# KiCad board ulx4m.kicad_pcb (continued)
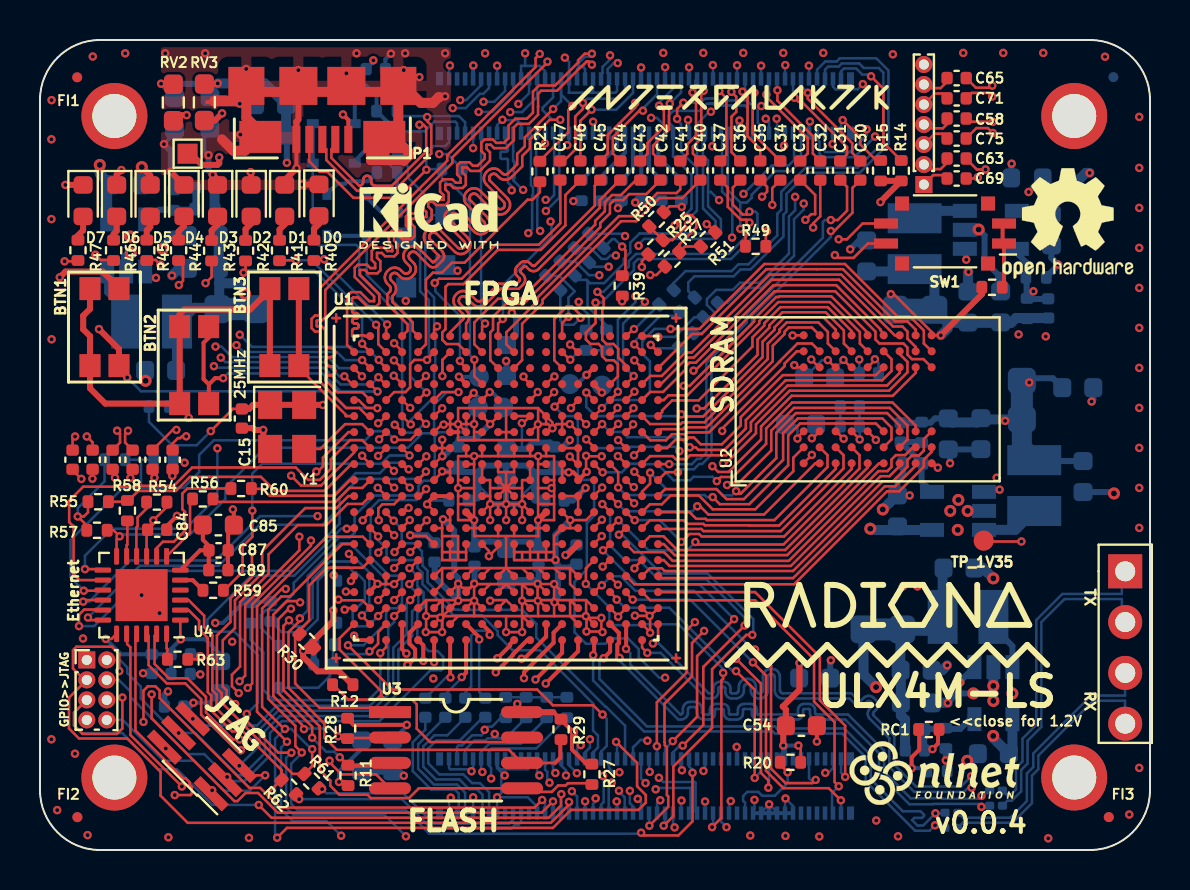
[diagram p0: board, top side]
## Library data of the parts (continued)

## Footprints (pads in the part's own frame, mm; a bottom-side part is the same pattern mirrored in y, then rotated)
BGA-381_pitch0.8mm_dia0.4mm
  round 0.4 smd: A2(-6.8,7.6) A3(-6,7.6) A4(-5.2,7.6) A5(-4.4,7.6) A6(-3.6,7.6) A7(-2.8,7.6) A8(-2,7.6) A9(-1.2,7.6) A10(-0.4,7.6) A11(0.4,7.6) A12(1.2,7.6) A13(2,7.6) A14(2.8,7.6) A15(3.6,7.6) A16(4.4,7.6) A17(5.2,7.6) A18(6,7.6) A19(6.8,7.6) B1(-7.6,6.8) B2(-6.8,6.8) B3(-6,6.8) B4(-5.2,6.8) B5(-4.4,6.8) B6(-3.6,6.8) B7(-2.8,6.8) B8(-2,6.8) B9(-1.2,6.8) B10(-0.4,6.8) B11(0.4,6.8) B12(1.2,6.8) B13(2,6.8) B14(2.8,6.8) B15(3.6,6.8) B16(4.4,6.8) B17(5.2,6.8) B18(6,6.8) B19(6.8,6.8) B20(7.6,6.8) C1(-7.6,6) C2(-6.8,6) C3(-6,6) C4(-5.2,6) C5(-4.4,6) C6(-3.6,6) C7(-2.8,6) C8(-2,6) C9(-1.2,6) C10(-0.4,6) C11(0.4,6) C12(1.2,6) C13(2,6) C14(2.8,6) C15(3.6,6) C16(4.4,6) C17(5.2,6) C18(6,6) C19(6.8,6) C20(7.6,6) D1(-7.6,5.2) D2(-6.8,5.2) D3(-6,5.2) D4(-5.2,5.2) D5(-4.4,5.2) D6(-3.6,5.2) D7(-2.8,5.2) D8(-2,5.2) D9(-1.2,5.2) D10(-0.4,5.2) D11(0.4,5.2) D12(1.2,5.2) D13(2,5.2) D14(2.8,5.2) D15(3.6,5.2) D16(4.4,5.2) D17(5.2,5.2) D18(6,5.2) D19(6.8,5.2) D20(7.6,5.2) E1(-7.6,4.4) E2(-6.8,4.4) E3(-6,4.4) E4(-5.2,4.4) E5(-4.4,4.4) E6(-3.6,4.4) E7(-2.8,4.4) E8(-2,4.4) E9(-1.2,4.4) E10(-0.4,4.4) E11(0.4,4.4) E12(1.2,4.4) E13(2,4.4) E14(2.8,4.4) E15(3.6,4.4) E16(4.4,4.4) E17(5.2,4.4) E18(6,4.4) E19(6.8,4.4) E20(7.6,4.4) F1(-7.6,3.6) F2(-6.8,3.6) F3(-6,3.6) F4(-5.2,3.6) F5(-4.4,3.6) F6(-3.6,3.6) F7(-2.8,3.6) F8(-2,3.6) F9(-1.2,3.6) F10(-0.4,3.6) F11(0.4,3.6) F12(1.2,3.6) F13(2,3.6) F14(2.8,3.6) F15(3.6,3.6) F16(4.4,3.6) F17(5.2,3.6) F18(6,3.6) F19(6.8,3.6) F20(7.6,3.6) G1(-7.6,2.8) G2(-6.8,2.8) G3(-6,2.8) G4(-5.2,2.8) G5(-4.4,2.8) G6(-3.6,2.8) G7(-2.8,2.8) G8(-2,2.8) G9(-1.2,2.8) G10(-0.4,2.8) G11(0.4,2.8) G12(1.2,2.8) G13(2,2.8) G14(2.8,2.8) G15(3.6,2.8) G16(4.4,2.8) G17(5.2,2.8) G18(6,2.8) G19(6.8,2.8) G20(7.6,2.8) H1(-7.6,2) H2(-6.8,2) H3(-6,2) H4(-5.2,2) H5(-4.4,2) H6(-3.6,2) H7(-2.8,2) H8(-2,2) H9(-1.2,2) H10(-0.4,2) H11(0.4,2) H12(1.2,2) H13(2,2) H14(2.8,2) H15(3.6,2) H16(4.4,2) H17(5.2,2) H18(6,2) H19(6.8,2) H20(7.6,2) J1(-7.6,1.2) J2(-6.8,1.2) J3(-6,1.2) J4(-5.2,1.2) J5(-4.4,1.2) J6(-3.6,1.2) J7(-2.8,1.2) J8(-2,1.2) J9(-1.2,1.2) J10(-0.4,1.2) J11(0.4,1.2) J12(1.2,1.2) J13(2,1.2) J14(2.8,1.2) J15(3.6,1.2) J16(4.4,1.2) J17(5.2,1.2) J18(6,1.2) J19(6.8,1.2) J20(7.6,1.2) K1(-7.6,0.4) K2(-6.8,0.4) K3(-6,0.4) K4(-5.2,0.4) K5(-4.4,0.4) K6(-3.6,0.4) K7(-2.8,0.4) K8(-2,0.4) K9(-1.2,0.4) K10(-0.4,0.4) K11(0.4,0.4) K12(1.2,0.4) K13(2,0.4) K14(2.8,0.4) K15(3.6,0.4) K16(4.4,0.4) K17(5.2,0.4) K18(6,0.4) K19(6.8,0.4) K20(7.6,0.4) L1(-7.6,-0.4) L2(-6.8,-0.4) L3(-6,-0.4) L4(-5.2,-0.4) L5(-4.4,-0.4) L6(-3.6,-0.4) L7(-2.8,-0.4) L8(-2,-0.4) L9(-1.2,-0.4) L10(-0.4,-0.4) L11(0.4,-0.4) L12(1.2,-0.4) L13(2,-0.4) L14(2.8,-0.4) L15(3.6,-0.4) L16(4.4,-0.4) L17(5.2,-0.4) L18(6,-0.4) L19(6.8,-0.4) L20(7.6,-0.4) M1(-7.6,-1.2) M2(-6.8,-1.2) M3(-6,-1.2) M4(-5.2,-1.2) M5(-4.4,-1.2) M6(-3.6,-1.2) M7(-2.8,-1.2) M8(-2,-1.2) M9(-1.2,-1.2) M10(-0.4,-1.2) M11(0.4,-1.2) M12(1.2,-1.2) M13(2,-1.2) M14(2.8,-1.2) M15(3.6,-1.2) M16(4.4,-1.2) M17(5.2,-1.2) M18(6,-1.2) M19(6.8,-1.2) M20(7.6,-1.2) N1(-7.6,-2) N2(-6.8,-2) N3(-6,-2) N4(-5.2,-2) N5(-4.4,-2) N6(-3.6,-2) N7(-2.8,-2) N8(-2,-2) N9(-1.2,-2) N10(-0.4,-2) N11(0.4,-2) N12(1.2,-2) N13(2,-2) N14(2.8,-2) N15(3.6,-2) N16(4.4,-2) N17(5.2,-2) N18(6,-2) N19(6.8,-2) N20(7.6,-2) P1(-7.6,-2.8) P2(-6.8,-2.8) P3(-6,-2.8) P4(-5.2,-2.8) P5(-4.4,-2.8) P6(-3.6,-2.8) P7(-2.8,-2.8) P8(-2,-2.8) P9(-1.2,-2.8) P10(-0.4,-2.8) P11(0.4,-2.8) P12(1.2,-2.8) P13(2,-2.8) P14(2.8,-2.8) P15(3.6,-2.8) P16(4.4,-2.8) P17(5.2,-2.8) P18(6,-2.8) P19(6.8,-2.8) P20(7.6,-2.8) R1(-7.6,-3.6) R2(-6.8,-3.6) R3(-6,-3.6) R4(-5.2,-3.6) R5(-4.4,-3.6) R16(4.4,-3.6) R17(5.2,-3.6) R18(6,-3.6) R19(6.8,-3.6) R20(7.6,-3.6) T1(-7.6,-4.4) T2(-6.8,-4.4) T3(-6,-4.4) T4(-5.2,-4.4) T5(-4.4,-4.4) T6(-3.6,-4.4) T7(-2.8,-4.4) T8(-2,-4.4) T9(-1.2,-4.4) T10(-0.4,-4.4) T11(0.4,-4.4) T12(1.2,-4.4) T13(2,-4.4) T14(2.8,-4.4) T15(3.6,-4.4) T16(4.4,-4.4) T17(5.2,-4.4) T18(6,-4.4) T19(6.8,-4.4) T20(7.6,-4.4) U1(-7.6,-5.2) U2(-6.8,-5.2) U3(-6,-5.2) U4(-5.2,-5.2) U5(-4.4,-5.2) U6(-3.6,-5.2) U7(-2.8,-5.2) U8(-2,-5.2) U9(-1.2,-5.2) U10(-0.4,-5.2) U11(0.4,-5.2) U12(1.2,-5.2) U13(2,-5.2) U14(2.8,-5.2) U15(3.6,-5.2) U16(4.4,-5.2) U17(5.2,-5.2) U18(6,-5.2) U19(6.8,-5.2) U20(7.6,-5.2) V1(-7.6,-6) V2(-6.8,-6) V3(-6,-6) V4(-5.2,-6) V5(-4.4,-6) V6(-3.6,-6) V7(-2.8,-6) V8(-2,-6) V9(-1.2,-6) V10(-0.4,-6) V11(0.4,-6) V12(1.2,-6) V13(2,-6) V14(2.8,-6) V15(3.6,-6) V16(4.4,-6) V17(5.2,-6) V18(6,-6) V19(6.8,-6) V20(7.6,-6) W1(-7.6,-6.8) W2(-6.8,-6.8) W3(-6,-6.8) W4(-5.2,-6.8) W5(-4.4,-6.8) W6(-3.6,-6.8) W7(-2.8,-6.8) W8(-2,-6.8) W9(-1.2,-6.8) W10(-0.4,-6.8) W11(0.4,-6.8) W12(1.2,-6.8) W13(2,-6.8) W14(2.8,-6.8) W15(3.6,-6.8) W16(4.4,-6.8) W17(5.2,-6.8) W18(6,-6.8) W19(6.8,-6.8) W20(7.6,-6.8) Y2(-6.8,-7.6) Y3(-6,-7.6) Y5(-4.4,-7.6) Y6(-3.6,-7.6) Y7(-2.8,-7.6) Y8(-2,-7.6) Y11(0.4,-7.6) Y12(1.2,-7.6) Y14(2.8,-7.6) Y15(3.6,-7.6) Y16(4.4,-7.6) Y17(5.2,-7.6) Y19(6.8,-7.6)
  oval 0.127x0.508 smd: X(-8.5,8.5) X(-8.5,-8.5) X(8.5,8.5) X(8.5,-8.5)
  oval 0.508x0.127 smd: X(-8.5,8.5) X(-8.5,-8.5) X(8.5,8.5) X(8.5,-8.5)
C_0201_0603Metric
  rrect 0.318x0.36 smd: (-0.345,0) (0.345,0)
  rrect 0.46x0.4 smd: 1(-0.32,0) 2(0.32,0)
C_0402_1005Metric
  rrect 0.56x0.62 smd: 1(-0.48,0) 2(0.48,0)
C_0603_1608Metric
  rrect 0.9x0.95 smd: 1(-0.775,0) 2(0.775,0)
Crystal_SMD_TXC_7M-4Pin_3.2x2.5mm
  rect 1.4x1.2 smd: 1(-1.1,-0.85) 2(1.1,-0.85) 3(1.1,0.85) 4(-1.1,0.85)
D_SOD-323
  rect 0.6x0.45 smd: 1(-1.05,0) 2(1.05,0)
D_SOD-323#2
  rrect 0.6x0.45 smd: 1(-1.05,0) 2(1.05,0)
D_SOD-323_HandSoldering
  rect 1x1 smd: 1(-1.25,0) 2(1.25,0)
Fiducial_0.5mm_Mask1mm
  round 0.5 smd: (0,0)
HRS_DF40C-100DP-0.4V(51)
  rect 0.23x0.66 smd: 1(-9.8,1.355) 2(-9.8,-1.355) 3(-9.4,1.355) 4(-9.4,-1.355) 5(-9,1.355) 6(-9,-1.355) 7(-8.6,1.355) 8(-8.6,-1.355) 9(-8.2,1.355) 10(-8.2,-1.355) 11(-7.8,1.355) 12(-7.8,-1.355) 13(-7.4,1.355) 14(-7.4,-1.355) 15(-7,1.355) 16(-7,-1.355) 17(-6.6,1.355) 18(-6.6,-1.355) 19(-6.2,1.355) 20(-6.2,-1.355) 21(-5.8,1.355) 22(-5.8,-1.355) 23(-5.4,1.355) 24(-5.4,-1.355) 25(-5,1.355) 26(-5,-1.355) 27(-4.6,1.355) 28(-4.6,-1.355) 29(-4.2,1.355) 30(-4.2,-1.355) 31(-3.8,1.355) 32(-3.8,-1.355) 33(-3.4,1.355) 34(-3.4,-1.355) 35(-3,1.355) 36(-3,-1.355) 37(-2.6,1.355) 38(-2.6,-1.355) 39(-2.2,1.355) 40(-2.2,-1.355) 41(-1.8,1.355) 42(-1.8,-1.355) 43(-1.4,1.355) 44(-1.4,-1.355) 45(-1,1.355) 46(-1,-1.355) 47(-0.6,1.355) 48(-0.6,-1.355) 49(-0.2,1.355) 50(-0.2,-1.355) 51(0.2,1.355) 52(0.2,-1.355) 53(0.6,1.355) 54(0.6,-1.355) 55(1,1.355) 56(1,-1.355) 57(1.4,1.355) 58(1.4,-1.355) 59(1.8,1.355) 60(1.8,-1.355) 61(2.2,1.355) 62(2.2,-1.355) 63(2.6,1.355) 64(2.6,-1.355) 65(3,1.355) 66(3,-1.355) 67(3.4,1.355) 68(3.4,-1.355) 69(3.8,1.355) 70(3.8,-1.355) 71(4.2,1.355) 72(4.2,-1.355) 73(4.6,1.355) 74(4.6,-1.355) 75(5,1.355) 76(5,-1.355) 77(5.4,1.355) 78(5.4,-1.355) 79(5.8,1.355) 80(5.8,-1.355) 81(6.2,1.355) 82(6.2,-1.355) 83(6.6,1.355) 84(6.6,-1.355) 85(7,1.355) 86(7,-1.355) 87(7.4,1.355) 88(7.4,-1.355) 89(7.8,1.355) 90(7.8,-1.355) 91(8.2,1.355) 92(8.2,-1.355) 93(8.6,1.355) 94(8.6,-1.355) 95(9,1.355) 96(9,-1.355) 97(9.4,1.355) 98(9.4,-1.355) 99(9.8,1.355) 100(9.8,-1.355)
  rect 0.35x0.66 smd: S1(-10.275,1.355) S2(-10.275,-1.355) S3(10.275,1.355) S4(10.275,-1.355)
IS42S16320D-6BLI
  round 0.4 smd: A1(-3.2,3.2) A2(-2.4,3.2) A3(-1.6,3.2) A7(1.6,3.2) A8(2.4,3.2) A9(3.2,3.2) B1(-3.2,2.4) B2(-2.4,2.4) B3(-1.6,2.4) B7(1.6,2.4) B8(2.4,2.4) B9(3.2,2.4) C1(-3.2,1.6) C2(-2.4,1.6) C3(-1.6,1.6) C7(1.6,1.6) C8(2.4,1.6) C9(3.2,1.6) D1(-3.2,0.8) D2(-2.4,0.8) D3(-1.6,0.8) D7(1.6,0.8) D8(2.4,0.8) D9(3.2,0.8) E1(-3.2,0) E2(-2.4,0) E3(-1.6,0) E7(1.6,0) E8(2.4,0) E9(3.2,0) F1(-3.2,-0.8) F2(-2.4,-0.8) F3(-1.6,-0.8) F7(1.6,-0.8) F8(2.4,-0.8) F9(3.2,-0.8) G1(-3.2,-1.6) G2(-2.4,-1.6) G3(-1.6,-1.6) G7(1.6,-1.6) G8(2.4,-1.6) G9(3.2,-1.6) H1(-3.2,-2.4) H2(-2.4,-2.4) H3(-1.6,-2.4) H7(1.6,-2.4) H8(2.4,-2.4) H9(3.2,-2.4) J1(-3.2,-3.2) J2(-2.4,-3.2) J3(-1.6,-3.2) J7(1.6,-3.2) J8(2.4,-3.2) J9(3.2,-3.2)
L_0603_1608Metric
  rrect 0.875x0.95 smd: 1(-0.787,0) 2(0.787,0)
L_1008_1210
  rect 1.5x2.7 smd: 1(-1.27,0) 2(1.27,0)
LED_0603_1608Metric
  rrect 0.875x0.95 smd: 1(-0.787,0) 2(0.787,0)
MountingHole_3.2mm_M3_ISO14580_Pad
  round 3.3 hole 2.2: 1(0,0)
PinHeader_1x04_P2.54mm_Vertical
  rect 1.7x1.7 hole 1: 1(0,0)
  oval 1.7x1.7 hole 1: 2(0,-2.54) 3(0,-5.08) 4(0,-7.62)
PinHeader_1x07_P1.00mm_Vertical
  rect 0.85x0.85 hole 0.5: 1(0,0)
  oval 0.85x0.85 hole 0.5: 2(0,-1) 3(0,-2) 4(0,-3) 5(0,-4) 6(0,-5) 7(0,-6)
PinHeader_2x03_P1.00mm_Vertical_SMD
  rect 2x0.5 smd: 1(-1.65,1) 2(1.65,1) 3(-1.65,0) 4(1.65,0) 5(-1.65,-1) 6(1.65,-1)
PinHeader_2x04_P1.00mm_Vertical
  rect 0.85x0.85 hole 0.5: 1(0,0)
  oval 0.85x0.85 hole 0.5: 2(1,0) 3(0,-1) 4(1,-1) 5(0,-2) 6(1,-2) 7(0,-3) 8(1,-3)
QFN-24-1EP_4x4mm_P0.5mm_EP2.6x2.6mm
  rrect 1.05x1.05 smd: (-0.65,0.65) (-0.65,-0.65) (0.65,0.65) (0.65,-0.65)
  rrect 0.825x0.25 smd: 1(-1.938,1.25) 2(-1.938,0.75) 3(-1.938,0.25) 4(-1.938,-0.25) 5(-1.938,-0.75) 6(-1.938,-1.25) 13(1.938,-1.25) 14(1.938,-0.75) 15(1.938,-0.25) 16(1.938,0.25) 17(1.938,0.75) 18(1.938,1.25)
  rrect 0.25x0.825 smd: 7(-1.25,-1.938) 8(-0.75,-1.938) 9(-0.25,-1.938) 10(0.25,-1.938) 11(0.75,-1.938) 12(1.25,-1.938) 19(1.25,1.938) 20(0.75,1.938) 21(0.25,1.938) 22(-0.25,1.938) 23(-0.75,1.938) 24(-1.25,1.938)
  rect 2.6x2.6 smd: 25(0,0)
R_0402_1005Metric
  rrect 0.54x0.64 smd: 1(-0.51,0) 2(0.51,0)
R_0603_1608Metric_Pad0.98x0.95mm_HandSolder
  rrect 0.975x0.95 smd: 1(-0.912,0) 2(0.912,0)
R_0805_2012Metric_Pad1.29x1.40mm_HandSolder_Jumper_NC
  rrect 1.295x1.4 smd: 1(-0.968,0) 2(0.968,0)
SOA008-150-208mil
  rect 2.1x0.6 smd: 1(-3.302,1.905)
  oval 2.1x0.6 smd: 2(-3.302,0.635) 3(-3.302,-0.635) 4(-3.302,-1.905) 5(3.302,-1.905) 6(3.302,-0.635) 7(3.302,0.635) 8(3.302,1.905)
SW_DIP_SPSTx02_Slide_Copal_CVS-02xB_W5.9mm_P1mm
  rect 1.2x0.5 smd: 1(-2.95,0.5) 2(-2.95,-0.5) 3(2.95,-0.5) 4(2.95,0.5)
  rect 0.7x0.7 smd: 5(-2.15,1.5) 5(-2.15,-1.5) 5(2.15,1.5) 5(2.15,-1.5)
Switch_EVPAA
  rect 1.15x1.05 smd: 1(-1.925,0.725) 1(1.925,0.725) 2(-1.925,-0.725) 2(1.925,-0.725)
TestPoint_Pad_1.0x1.0mm
  rect 1x1 smd: 1(0,0)
Testpoint_smd_1mm
  round 1 smd: 1(0,0.051)
TSOT-25
  rect 0.7x1.2 smd: 1(-0.95,-1.3) 2(0,-1.3) 3(0.95,-1.3) 4(0.95,1.3) 5(-0.95,1.3)
USB-MICRO-B-FCI-10118192-0001LF
  rect 0.4x1.35 smd: 1(-1.3,2.675) 2(-0.65,2.675) 3(0,2.675) 4(0.65,2.675) 5(1.3,2.675)
  rect 1.8x1.9 smd: 6(-3.8,0) 6(3.8,0)
  rect 2.1x1.6 smd: 6(-3.1,2.55) 6(3.1,2.55)
  rect 1.9x1.9 smd: 6(-1.2,0) 6(1.2,0)

## Nets
2V5_3V3: C26.1 C38.1 C48.1 C49.1 C53.1 RV2.2 RV3.1 U1.F9 U1.F10 U1.H6 U1.H7 U1.J6
+1V1: 1.1V_1.1 C17.1 C27.1 C28.1 RP1.2 U1.H8 U1.H9 U1.H10 U1.H11 U1.H12 U1.H13 U1.J8 U1.J13 U1.K8 U1.K13 U1.L8 U1.L13 U1.M8 U1.M13 U1.N8 U1.N9 U1.N10 U1.N11 U1.N12 U1.N13 U1.T6 U1.T7 U1.T8 U1.T9 U1.T10 U1.T11 U1.T12 U1.T13 U1.T14 U1.T15 U1.U6 U1.U15
+1V35: C77.1 C95.1 C96.1 C97.1 C98.1 L4.2 RA4.1 RP4.1 RP4.2 TP_1V35.1
+2V5: C10.1 C11.1 C12.1 C19.1 C23.1 C29.1 C39.1 L2.2 RA2.1 RP2.1 RP2.2 RV2.1 U1.F6 U1.F15 U1.P6 U1.P15 U1.V10 U1.V11 U1.V17 U1.V18
+3.3VA: C86.1 C88.1 C90.1 FB1.2 U4.1 U4.19
+5V: C1.1 C5.1 C9.1 C76.1 J1.77 J1.79 J1.81 J1.83 J1.85 J1.87 P1.1 R10.1 R13.1 R14.1 R15.1 U5.1 U5.4 U6.1 U6.4 U7.1 U7.4 U8.1 U8.4
/ethernet/VDDCR: C85.1 C87.1 C89.1 U4.6
/power/P1V1: C2.1 C3.1 C4.1 C22.1 L1.2 RA1.1 RP1.1
GND: C1.2 C3.2 C4.2 C5.2 C7.2 C8.2 C9.2 C11.2 C12.2 C13.2 C14.2 C15.2 C16.2 C17.2 C18.2 C19.2 C20.2 C21.2 C22.2 C23.2 C24.2 C25.2 C26.2 C27.2 C28.2 C29.2 C38.2 C39.2 C48.2 C49.2 C50.2 C51.2 C52.2 C53.2 C54.2 C76.2 C78.2 C79.2 C80.2 C81.2 C82.2 C83.1 C84.2 C85.2 C86.2 C87.2 C88.2 C89.2 C90.2 C95.2 C96.2 C97.2 C98.2 D0.1 D1.1 D2.1 D3.1 D4.1 D5.1 D6.1 D7.1 D8.2 D9.2 H1.1 H2.1 H3.1 H4.1 J1.1 J1.2 J1.7 J1.8 J1.13 J1.14 J1.22 J1.23 J1.32 J1.33 J1.42 J1.43 J1.52 J1.53 J1.59 J1.60 J1.65 J1.66 J1.71 J1.74 J1.98 J2.7 J2.8 J2.13 J2.14 J2.19 J2.20 J2.25 J2.26 J2.31 J2.32 J2.37 J2.38 J2.44 J2.50 J2.55 J2.56 J2.61 J2.62 J2.67 J2.68 J2.73 J2.74 J2.79 J2.80 J2.85 J2.86 J2.91 J2.92 J2.97 J2.98 J3.1 J5.7 P1.5 P1.6 R9.1 R17.1 R39.2 R48.2 R49.2 R50.2 R51.2 R52.2 R63.2 RB1.1 RB2.1 RB3.1 RB4.1 RC2.1 U1.B7 U1.B14 U1.C19 U1.D4 U1.F7 U1.F8 U1.F13 U1.F14 U1.G4 U1.G6 U1.G7 U1.G8 U1.G9 U1.G10 U1.G11 U1.G12 U1.G13 U1.G14 U1.G15 U1.G17 U1.H19 U1.J2 U1.J7 U1.J9 U1.J10 U1.J11 U1.J12 U1.J14 U1.K6 U1.K7 U1.K9 U1.K10 U1.K11 U1.K12 U1.K14 U1.K15 U1.L9 U1.L10 U1.L11 U1.L12 U1.M2 U1.M7 U1.M9 U1.M10 U1.M11 U1.M12 U1.M14 U1.M16 U1.N6 U1.N7 U1.N14 U1.N15 U1.P7 U1.P8 U1.P11 U1.P12 U1.P13 U1.P14 U1.R4 U1.R19 U1.U4 U1.U7 U1.U8 U1.U9 U1.U10 U1.U11 U1.U12 U1.U13 U1.U14 U1.V5 U1.V6 U1.V7 U1.V8 U1.V9 U1.V12 U1.V13 U1.V14 U1.V15 U1.V16 U1.V19 U1.V20 U1.W6 U1.W7 U1.W12 U1.W15 U1.W16 U1.W19 U2.A1 U2.A3 U2.B7 U2.C3 U2.D7 U2.E3 U2.J1 U3.4 U4.25 U5.2 U6.2 U7.2 U8.2 Y1.2
/blinkey/ALED0: D0.2 R40.2
/blinkey/ALED1: D1.2 R41.2
/blinkey/ALED2: D2.2 R42.2
/blinkey/ALED3: D3.2 R43.2
/blinkey/ALED4: D4.2 R44.2
/blinkey/ALED5: D5.2 R45.2
/blinkey/ALED6: D6.2 R46.2
/blinkey/ALED7: D7.2 R47.2
/ethernet/ETH_7: R56.1 U4.7
/ethernet/ETH_8: R60.1 U4.8
/ethernet/ETH_10: R54.1 U4.10
/ethernet/ETH_11: R58.2 U4.11
/ethernet/RBIAS: R63.1 U4.24
/ethernet/XTAL: R59.1 U4.5
/flash/FLASH_MISO: R28.2 U1.V2 U3.2
/flash/FLASH_MOSI: R27.2 U1.W2 U3.5
/flash/FLASH_nCS: R30.2 U1.R2 U3.1
/flash/FLASH_nHOLD: R12.2 U1.W1 U3.7
/flash/FLASH_nWP: R11.2 U1.Y2 U3.3
/flash/FLASH_SCK: R29.2 U1.U3 U3.6
/flash/FPGA_DONE: R32.2 U1.Y3
/flash/FPGA_INITN: R33.2 U1.V3
/flash/FPGA_PROGRAMN: C99.1 D15.2 D28.2 R31.2 U1.W3
/gpio/CAM0_D0_LP: R21.2 U1.B5
/power/FB1: C2.2 RA1.2 RB1.2 RC1.2 U5.5
/power/FB2: C10.2 RA2.2 RB2.2 U6.5
/power/FB3: C6.2 RA3.2 RB3.2 U7.5
/power/FB4: C77.2 RA4.2 RB4.2 U8.5
/power/L1: L1.1 U5.3
/power/L2: L2.1 U6.3
/power/L3: L3.1 U7.3
/power/L4: L4.1 U8.3
/serdes/1N: C91.1 J4.1
/serdes/1P: C92.1 J4.2
/serdes/2N: C93.1 J4.3
/serdes/2P: C94.1 J4.4
/serdes/CLK_0_N: C66.1 U1.Y12
/serdes/CLK_0_P: C59.2 U1.Y11
/serdes/CLK_1_N: C69.1 U1.W20
/serdes/CLK_1_P: C63.2 U1.Y19
/serdes/S_0_N: C67.1 U1.Y6
/serdes/S_0_P: C61.2 U1.Y5
/serdes/S_1_N: C68.1 U1.Y8
/serdes/S_1_P: C62.2 U1.Y7
/serdes/S_2_N: C72.1 U1.W5
/serdes/S_2_P: C55.2 U1.W4
/serdes/S_3_N: C73.1 U1.W9
/serdes/S_3_P: C56.2 U1.W8
/serdes/S_4_N: U1.Y15
/serdes/S_4_P: U1.Y14
/serdes/S_5_N: C71.1 C93.2 U1.Y17
/serdes/S_5_P: C65.2 C94.2 U1.Y16
/serdes/S_6_N: U1.W14
/serdes/S_6_P: U1.W13
/serdes/S_7_N: C75.1 C91.2 U1.W18
/serdes/S_7_P: C58.2 C92.2 U1.W17
/usb/D10_R4: D10.1 R4.1
/usb/D11_R5: D11.2 R5.1
/usb/D12_R6: D12.1 R6.1
/usb/D13_R7: D13.2 R7.1
AnalogIP0: J1.96
AnalogIP1: J1.94
BT_nDisable: J1.91
BTN1: BTN1.2 U1.E1
BTN2: BTN2.2 U1.D2
BTN3: BTN3.2 U1.F1
CAM0_C_N: J2.40 U1.E2
CAM0_C_P: J2.42 U1.F2
CAM0_D0_N: J2.28 U1.A5
CAM0_D0_P: J2.30 R21.1 U1.A4
CAM0_D1_N: J2.34 U1.B1
CAM0_D1_P: J2.36 U1.A2
CAM1_C_N: J2.27 U1.F3
CAM1_C_P: J2.29 U1.G3
CAM1_D0_N: J2.15 U1.B4
CAM1_D0_P: J2.17 U1.C4
CAM1_D1_N: J2.21 U1.D5
CAM1_D1_P: J2.23 U1.E4
CAM1_D2_N: J2.33
CAM1_D2_P: J2.35
CAM1_D3_N: J2.39
CAM1_D3_P: J2.41
Camera_GPIO: J1.97 U1.U19
CLK_25MHz: U1.G2 Y1.3
CM4_1.8V: J1.88 J1.90
CM4_3.3V: C6.1 C7.1 C8.1 C13.1 C14.1 C15.1 C16.1 C18.1 C20.1 C21.1 C24.1 C25.1 C50.1 C51.1 C52.1 C54.1 C78.1 C79.1 C80.1 C81.1 C82.1 C84.1 C99.2 FB1.1 J1.84 J1.86 J3.2 L3.2 R8.1 R11.1 R12.1 R16.1 R18.2 R19.2 R20.2 R27.1 R28.1 R29.1 R30.1 R31.1 R32.1 R33.1 R53.1 R54.2 R55.1 R57.1 R64.2 R65.2 R66.2 R67.2 R70.1 RA3.1 RP3.1 RP3.2 RV3.2 U1.F11 U1.F12 U1.H14 U1.H15 U1.J15 U1.L6 U1.L7 U1.L14 U1.L15 U1.M6 U1.M15 U1.P9 U1.P10 U1.T2 U1.T3 U1.T4 U1.U2 U2.A7 U2.A9 U2.B3 U2.C7 U2.D3 U2.E7 U2.J9 U3.8 U4.9 Y1.1 Y1.4
DSI0_C_N: J2.69 J2.87 R38.2 R39.1
DSI0_C_P: J2.71 J2.89 R26.1 R49.1
DSI0_D0_N: J2.57 J2.75 R37.2 R51.1
DSI0_D0_P: J2.59 J2.77 R25.1 R50.1
DSI0_D1_N: J2.63 J2.81 R36.2 R48.1
DSI0_D1_P: J2.65 J2.83 R24.1 R52.1
DSI1_D2_N: J2.93 R34.2
DSI1_D2_P: J2.95 R22.1
DSI1_D3_N: J2.94 R35.2
DSI1_D3_P: J2.96 R23.1
EEPROM_nWP: J1.20
ETH_0N: J1.10 R65.1 U4.20
ETH_0P: J1.12 R64.1 U4.21
ETH_1N: J1.6 R67.1 U4.22
ETH_1P: J1.4 R66.1 U4.23
ETH_2N: C73.2 J1.9
ETH_2P: C56.1 J1.11
ETH_3N: C68.2 J1.5
ETH_3P: C62.1 J1.3
ETH_MDC: U1.J5 U4.13
ETH_MDIO: R57.2 U1.E6 U4.12
ETH_nLED1: J1.19 R62.1
ETH_nLED2: J1.17 R61.1
ETH_nLED3: J1.15
ETH_SYNC_IN: J1.16
ETH_SYNC_OUT: J1.18
ETH_~{RESET}: C83.2 R53.2 U1.G5 U4.15
FPDI_CLK+: C31.1 U1.J20
FPDI_CLK-: C30.1 U1.K20
FPDI_D0+: C33.1 U1.F17
FPDI_D0-: C32.1 U1.G18
FPDI_D1+: C35.1 U1.D18
FPDI_D1-: C34.1 U1.E17
FPDI_D2+: C37.1 U1.C18
FPDI_D2-: C36.1 U1.D17
GLOBAL_EN: J1.99 U1.U18
GN0: C40.1 U1.C11
GN3: C42.1 U1.C10
GN4: C44.1 U1.A8
GN5: C46.1 U1.B8
GP0: C41.1 U1.B11
GP3: C43.1 U1.B9
GP4: C45.1 U1.A7
GP5: C47.1 U1.C8
GPIO2: J1.58 U1.M17
GPIO3: J1.56 U1.P17
GPIO4: J1.54 U1.P16
GPIO5: J1.34 U1.N1
GPIO6: J1.30 U1.R1
GPIO7: J1.37 U1.P3
GPIO8: J1.39 U1.P4
GPIO9: J1.40 U1.L5
GPIO10: J1.44 R61.2 U1.K4 U4.3
GPIO11: J1.38 U1.N2
GPIO12: J1.31 J6.3 U1.L2
GPIO13: J1.28 U1.T1
GPIO14: J1.55 U1.N18
GPIO15: J1.51 U1.N16
GPIO16: J1.29 J6.5 U1.L1
GPIO17: J1.50 U1.H3
GPIO18: J1.49 U1.N5
GPIO19: J1.26 U1.U1
GPIO20: J1.27 J6.1 U1.L3
GPIO21: J1.25 J6.7 R62.2 U1.L4 U4.2
GPIO22: J1.46 U1.M3
GPIO23: J1.47 U1.N4
GPIO24: J1.45 U1.N3
GPIO25: J1.41 U1.P5
GPIO26: J1.24 U1.V1
GPIO27: J1.48 U1.R17
GPIO_VREF: J1.78
HDMI0_CEC: J2.51 R8.2
HDMI0_CLK_N: C30.2 J2.90
HDMI0_CLK_P: C31.2 J2.88
HDMI0_HOTPLUG: J2.53 R9.2
HDMI0_SCL: J2.100 R14.2
HDMI0_SDA: J2.99 R15.2
HDMI0_TX0_N: C32.2 J2.84
HDMI0_TX0_P: C33.2 J2.82
HDMI0_TX1_N: C34.2 J2.78
HDMI0_TX1_P: C35.2 J2.76
HDMI0_TX2_N: C36.2 J2.72
HDMI0_TX2_P: C37.2 J2.70
HDMI1_CEC: J2.49 R16.2
HDMI1_CLK_N: C40.2 J2.66
HDMI1_CLK_P: C41.2 J2.64
HDMI1_HOTPLUG: J2.43 R17.2
HDMI1_SCL: J2.47 R10.2
HDMI1_SDA: J2.45 R13.2
HDMI1_TX0_N: C42.2 J2.60
HDMI1_TX0_P: C43.2 J2.58
HDMI1_TX1_N: C44.2 J2.54
HDMI1_TX1_P: C45.2 J2.52
HDMI1_TX2_N: C46.2 J2.48
HDMI1_TX2_P: C47.2 J2.46
ID_SC: J1.35 U1.J3
ID_SD: J1.36 U1.H1
JTAG_TCK: J3.4 J6.2 U1.T5
JTAG_TDI: J3.3 J6.4 U1.R5
JTAG_TDO: J3.6 J6.6 U1.V4
JTAG_TMS: J3.5 J6.8 U1.U5
LED0: R40.1 U1.A3
LED1: R41.1 U1.B3
LED2: R42.1 U1.B2
LED3: R43.1 U1.C3
LED4: R44.1 U1.C2
LED5: R45.1 U1.C1
LED6: R46.1 U1.D1
LED7: R47.1 U1.D3
nEXTRST: J1.100 U1.U20
nRPIBOOT: J1.93
PCIe_CLK_N: C66.2 J2.12
PCIe_CLK_nREQ: J2.2 U1.A10
PCIe_CLK_P: C59.1 J2.10
PCIe_nRST: J2.9 U1.A9
PCIe_RX_N: C67.2 J2.18
PCIe_RX_P: C61.1 J2.16
PCIe_TX_N: C72.2 J2.24
PCIe_TX_P: C55.1 J2.22
PI_LED_nPWR: J1.95
Pi_nLED_Activity: J1.21
PWRBTn: D28.1 TP_E8.1 U1.E8
RGMII_REF_CLK: U1.H2 U4.14
RGMII_RX_DV: R55.2 R58.1 U1.J1
RGMII_RXD0: R60.2 U1.K1
RGMII_RXD1: R56.2 U1.K2
RGMII_TX_CLK: R59.2 U1.H4
RGMII_TX_EN: U1.K3 U4.16
RGMII_TXD0: U1.K5 U4.17
RGMII_TXD1: U1.J4 U4.18
RUN_PG: J1.92 U1.U16
SCL0: J1.80 U1.U17
SD_CLK: J1.57 U1.G1
SD_CMD: J1.62 U1.P1
SD_D0: J1.63 U1.B15
SD_D1: J1.67 U1.R16
SD_D2: J1.69 U1.E14
SD_D3: J1.61 U1.P2
SD_DAT4: J1.68
SD_DAT5: J1.64
SD_DAT6: J1.72
SD_DAT7: J1.70
SD_PWR_ON: J1.75 R20.1 U1.E15
SD_VDD_Override: J1.73
SDA0: J1.82 U1.T17
SDRAM_A0: U1.H16 U2.H7
SDRAM_A1: U1.D19 U2.H8
SDRAM_A2: U1.F16 U2.J8
SDRAM_A3: U1.E18 U2.J7
SDRAM_A4: U1.T19 U2.J3
SDRAM_A5: U1.T18 U2.J2
SDRAM_A6: U1.J16 U2.H3
SDRAM_A7: U1.P18 U2.H2
SDRAM_A8: U1.T20 U2.H1
SDRAM_A9: U1.L19 U2.G3
SDRAM_A10: U1.C20 U2.H9
SDRAM_A11: U1.K19 U2.G2
SDRAM_A12: U1.R20 U2.G1
SDRAM_BA0: U1.J19 U2.G7
SDRAM_BA1: U1.L16 U2.G8
SDRAM_CKE: U1.J17 U2.F3
SDRAM_CLK: U1.L20 U2.F2
SDRAM_D0: U1.J18 U2.A8
SDRAM_D1: U1.G20 U2.B9
SDRAM_D2: U1.G19 U2.B8
SDRAM_D3: U1.E16 U2.C9
SDRAM_D4: U1.F19 U2.C8
SDRAM_D5: U1.F20 U2.D9
SDRAM_D6: U1.H18 U2.D8
SDRAM_D7: U1.F18 U2.E9
SDRAM_D8: U1.P19 U2.E1
SDRAM_D9: U1.N17 U2.D2
SDRAM_D10: U1.M18 U2.D1
SDRAM_D11: U1.N20 U2.C2
SDRAM_D12: U1.N19 U2.C1
SDRAM_D13: U1.M20 U2.B2
SDRAM_D14: U1.M19 U2.A2
SDRAM_D15: U1.L17 U2.B1
SDRAM_DQM0: U1.E20 U2.E8
SDRAM_DQM1: U1.P20 U2.F1
SDRAM_nCAS: U1.H20 U2.F7
SDRAM_nCS: U1.D20 U2.G9
SDRAM_nRAS: U1.G16 U2.F8
SDRAM_nWE: U1.E19 U2.F9
SRCLK1N: C69.2 J5.1
SRCLK1P: C63.1 J5.2
SRX11N: C71.2 J5.5
SRX11P: C65.1 J5.6
STX11N: C75.2 J5.3
STX11P: C58.1 J5.4
SW1: SW1.4 U1.L18
SW2: SW1.3 U1.K18
US2_ID: J2.1 P1.4 R19.1 U1.D9
USB_FPGA_D+: D8.1 R2.2 R4.2 R5.2 U1.A6 U1.F4
USB_FPGA_D-: D9.1 R1.2 R6.2 R7.2 U1.B6 U1.E3
USB_FPGA_PULL_D+: D10.2 D11.1 U1.F5
USB_FPGA_PULL_D-: D12.2 D13.1 U1.E5
USB_N: J2.3 P1.2 R1.1
USB_P: J2.5 P1.3 R2.1
USER_PROGRAMN: D15.1 U1.M4
VDAC_COMP: J2.11
WL_nDisable: J1.89
Net-(BTN1-Pad1): BTN1.1 BTN2.1 BTN3.1 R18.1
Net-(R70-Pad2): R70.2 SW1.1 SW1.2
Net-(RC1-Pad1): RC1.1 RC2.2
Net-(U1A-PT13B): TP_D8.1 U1.D8
Net-(U1A-PT20B): TP_E9.1 U1.E9
Net-(U1B-GR_PCLK1_0): R26.2 U1.D12
Net-(U1B-GR_PCLK1_1): R38.1 U1.E12
Net-(U1B-PT80A): R25.2 U1.D13
Net-(U1B-PT80B): R37.1 U1.E13
Net-(U1B-PT83A): R24.2 U1.A14
Net-(U1B-PT83B): R36.1 U1.C14
Net-(U1B-PT112A): TP_C16.1 U1.C16
Net-(U1B-PT112B): TP_D16.1 U1.D16
Net-(U1B-PT119A): R23.2 U1.A18
Net-(U1B-PT119B): R35.1 U1.B19
Net-(U1B-PT121A): R22.2 U1.A19
Net-(U1B-PT121B): R34.1 U1.B20

Pads without a net: J1 76 S1 S2 S3 S4; J2 4 6 S1 S2 S3 S4; SW1 5; U1 A11 A12 A13 A15 A16 A17 B10 B12 B13 B16 B17 B18 C5 C6 C7 C9 C12 C13 C15 C17 D6 D7 D10 D11 D14 D15 E7 E10 E11 H5 H17 K16 K17 M1 M5 R3 R18 T16 W10 W11 X; U2 E2; U4 4

## Via types
v1: diameter 0.6, hole 0.3, Top to Bottom, 23 vias
v2: diameter 0.42, hole 0.2, Top to Bottom, 54 vias
v3: diameter 0.419, hole 0.2, Top to Bottom, 623 vias

## Routing (per net, layer and track width the routed paths; a pad name or vN(x,y) marks a point on that pad's centre or on a via; arc(x,y) is an arc through that point)
2V5_3V3: length 43.2
  Top w0.127: 20.11,20.09 U1.H7 ; 20.11,20.09 U1.H6 ; 20.11,20.09 20.11,19.69 v3(20.12,19.69) 20.1,19.69 U1.J6 ; 20.11,20.09 20.11,20.51 v3(20.11,20.52) ; U1.F10 v3(22.51,21.29) U1.F9
  Top w0.2: v3(6.06,38.31) 6.59,38.31 6.64,38.26
  Top w0.3: RV3.1 8.86,38.3 v3(8.89,38.33) ; RV2.2 6.08,38.29 v3(6.06,38.31)
  POWER.Cu w0.2: v3(20.11,20.52) 19.74,20.89 19.74,21.53 19.61,21.66 19.61,21.87
  POWER.Cu w0.3: v3(12.34,34.36) 12.56,34.57 17.24,34.57 18.08,35.41 18.86,35.41 17.52,34.07 17.52,33.34 18.78,32.08 18.78,22.7 19.61,21.87
  Bottom w0.2: C49.1 6.06,38.28 v3(6.06,38.31)
  Bottom w0.3: 20.93,20.55 21.77,20.55 v3(22.51,21.29) ; C48.1 12.34,35.71 v3(12.34,34.36) ; v3(6.06,38.31) 8.88,38.31 v3(8.89,38.33) 8.5,37.94 C53.1 ; v3(20.12,19.69) 20.19,19.69 20.93,20.42
  Bottom w0.4: 20.98,20.46 20.98,20.45
  Bottom w0.5: C48.1 12.31,37.26 C38.1 11.24,38.33 v3(8.89,38.33)
+1V1: length 133.8
  Top w0.127: U1.T15 26.51,14.09 ; 26.51,14.09 25.71,14.09 ; 26.51,14.09 26.51,13.29 U1.U15 ; 25.71,14.09 24.91,14.09 ; 25.71,14.09 U1.T14 ; 24.91,14.09 23.31,14.09 ; 24.91,14.09 U1.T13 ; U1.T12 24.11,14.09 ; U1.T11 23.31,14.09 ; 23.31,14.09 U1.T10 ; 23.31,14.09 22.51,14.09 ; 23.31,14.09 23.31,15.69 ; 21.71,14.09 22.51,14.09 ; 21.71,14.09 U1.T8 ; 21.71,14.09 20.91,14.09 ; 22.51,14.09 U1.T9 ; U1.T6 20.11,14.09 ; 20.11,14.09 20.91,14.09 ; 20.11,14.09 20.11,13.29 U1.U6 ; 20.91,14.09 U1.T7 ; 23.31,15.69 22.91,15.69 ; 23.31,15.69 24.91,15.69 24.91,16.09 ; U1.N12 24.91,16.09 ; 24.91,16.09 U1.N13 ; 24.91,16.09 v3(24.91,16.49) ; U1.N9 21.71,16.09 ; 21.71,16.09 U1.N8 ; 21.71,16.09 v3(21.71,16.49) ; 21.71,16.09 21.71,15.69 22.91,15.69 ; 22.91,15.69 U1.N10 ; U1.N11 23.71,15.69 ; U1.K13 25.71,18.49 ; 25.71,18.49 25.71,19.69 25.31,19.69 ; 25.71,18.49 25.71,18.22 v3(25.58,18.09) ; 25.71,17.29 25.71,16.49 v3(24.91,16.49) ; 25.71,17.29 25.71,17.69 ; 25.71,17.29 24.91,17.29 ; 25.71,17.69 U1.L13 ; 25.71,17.69 25.71,17.97 v3(25.58,18.09) ; 20.91,17.69 20.91,17.29 ; 20.91,17.69 v3(20.91,18.09) ; 20.91,17.69 U1.L8 ; 20.91,17.29 20.91,16.49 v3(21.71,16.49) ; 20.91,17.29 21.71,17.29 ; v3(20.91,18.09) 20.91,18.49 ; v3(20.91,18.09) 21.71,18.09 ; 20.91,18.49 20.91,19.69 21.31,19.69 ; 20.91,18.49 U1.K8 ; 25.31,19.69 v3(24.91,19.69) ; 25.31,19.69 U1.H13 ; v3(24.91,19.69) 24.91,19.29 ; v3(24.91,19.69) 24.51,19.7 ; 21.31,19.69 v3(21.71,19.7) ; 21.31,19.69 U1.H8 ; v3(21.71,19.7) 22.11,19.69 ; v3(21.71,19.7) 21.71,19.29 ; v3(24.91,16.49) 24.91,17.29 ; 24.91,17.29 24.91,18.09 ; v3(21.71,16.49) 21.71,17.29 ; 21.71,17.29 21.71,18.09 ; 24.91,18.09 24.91,19.29 ; 24.91,18.09 v3(25.58,18.09) ; 24.91,19.29 U1.J13 ; 24.51,19.7 U1.H12 ; 24.51,19.7 23.71,19.69 ; 23.71,19.69 22.91,19.69 ; 23.71,19.69 U1.H11 ; 22.91,19.69 U1.H10 ; 22.91,19.69 22.11,19.69 ; 22.11,19.69 U1.H9 ; 21.71,19.29 21.71,18.09 ; 21.71,19.29 U1.J8
  Top w0.3: U1.M13 v3(24.91,16.49) ; 7.59,34.76 8.1,34.25 8.88,34.25 8.96,34.34 v3(8.96,34.63) ; U1.M8 v3(21.71,16.49)
  In2signal.Cu w0.3: v3(9.61,10.41) 11.78,8.24 19.34,8.24 v3(19.67,8.57)
  POWER.Cu w0.3: 24.92,16.49 24.9,16.49 ; v3(8.96,34.63) 9.38,34.21 9.38,30.72 9.69,30.41 9.69,27.52 10.15,27.06 10.15,26.59 9.3,25.74 9.3,25.02 9.53,24.78 10.75,24.78 11.14,24.39 11.14,21.84 10.67,21.37 10.67,18.77 10.13,18.24 10.13,10.94 v3(9.61,10.41) ; 28.73,8.75 27.82,7.84 20.41,7.84 v3(19.67,8.57) 21.47,10.38 21.47,10.75 22.7,11.98 22.74,11.98 23,12.23 23,15.21 v3(21.71,16.49)
  POWER.Cu w0.5: v1(41.81,8.14) 41.5,7.84 29.64,7.84 28.73,8.75
  Bottom w0.127: 24.91,15.48 24.93,15.46 ; 23.31,15.23 23.33,15.21 ; 21.71,15.48 21.73,15.46
  Bottom w0.3: 24.93,15.42 23.43,15.42 23.33,15.52 23.23,15.42 21.73,15.42 ; v3(24.91,16.49) 24.91,15.48 ; v3(21.71,16.49) 21.71,15.48
  Bottom w0.5: RP1.2 41.18,8.77 v1(41.81,8.14)
+1V35: length 31.8
  Top w0.127: v3(49.08,15.42) 47.23,15.42 TP_1V35.1
  POWER.Cu w0.3: v3(49.08,15.42) 46.86,17.65 46.86,18.71 46.23,19.34 47.85,19.34 47.95,19.23 48.38,19.66 48.38,20.57 47.88,21.07 v2(48.27,21.46) 48.67,21.87 48.67,24.96 48.73,24.89 49.35,24.89 49.35,23.49 v3(49.47,23.38)
  Bottom w0.3: 49.49,23.2 49.1,23.59 ; RP4.2 49.19,23.38 v3(49.47,23.38) 49.68,23.59 50.65,23.59 C98.1 ; C77.1 44.09,21.36 44.09,21.36 44.54,21.36 44.75,21.58 C95.1 ; C97.1 49.31,19.45
  Bottom w0.5: C95.1 45.62,21.38 46.84,21.38 C96.1 47.12,21.53 RP4.1
  Bottom w1: RP4.1 49.1,20.11 L4.2
+2V5: length 118.6
  Top w0.127: U1.V10 23.31,12.49 ; 23.31,12.49 U1.V11 ; 23.31,12.49 22.54,12.49 v3(22.51,12.46) ; U1.V17 28.91,11.69 v3(28.91,11.66) 28.91,11.7 U1.V18 ; v3(20.11,22.08) 20.1,22.08 U1.F6 ; v3(18.51,15.74) 18.54,15.7 19.3,15.7 U1.P6 ; U1.F15 27.31,21.3 v3(27.31,21.29)
  Top w0.3: v3(26.28,14.74) 26.36,14.74 U1.P15 ; v3(7.33,36.74) 6.95,36.74 RV2.1
  POWER.Cu w0.127: 26.09,20.89 26.08,20.91 26.08,21.7 ; 26.09,20.89 26.09,20.9 26.91,20.9 v3(27.31,21.29) ; 26.09,20.89 26.08,20.89 ; 29.33,13.68 29.33,12.82 29.24,12.73 29.24,12.16 U1.V18
  POWER.Cu w0.2: v3(28.91,11.66) 29.31,12.06 U1.V18 ; 29.31,13.7 28.4,13.7 28.37,13.67 27.65,13.67 26.58,14.74 v3(26.28,14.74) ; 15.9,18.39 16.05,18.54 18.75,18.54 18.81,18.49 20.33,18.49 20.42,18.39
  POWER.Cu w0.3: v3(18.51,15.74) 19.31,14.94 19.31,12.49 20.07,12.49 20.61,11.95 22,11.95 v3(22.51,12.46) ; v2(23.31,24.45) 23.33,24.43 23.33,23.07 ; 11.7,27.43 10.63,27.43 v1(10.26,27.8) ; 10.92,25.76 11.34,25.76 15.06,22.05 15.06,19.23 15.9,18.39 ; 20.42,18.39 21.02,18.98 21.02,20.63 22.76,20.63 23.3,21.17 23.3,22.09 ; 26.09,20.89 26.09,20.85 25.86,20.61 25.86,18.64 25.23,18.64 25.08,18.49 25.08,17.88 25.58,17.38 25.58,16.94 25.99,16.53 25.99,15.03 v3(26.28,14.74) ; 9.98,34.6 10.66,34.6 ; 9.95,34.57 7.77,36.74 v3(7.33,36.74)
  POWER.Cu w0.4: 14.84,9.19 15.14,9.19 15.94,9.99 15.94,10.18 16.23,10.47 17.29,10.47 19.31,12.49 ; 26,21.63 25.32,21.63 24.85,22.09 20.12,22.09 v3(20.11,22.08)
  POWER.Cu w0.5: 10.66,34.6 10.63,34.57 9.95,34.57 ; 9.95,34.57 9.98,34.6 ; 9.95,34.57 9.95,31.18 11.21,29.92 ; 23.33,23.07 23.33,22.14
  POWER.Cu w0.8: 13.58,14.58 12.93,14.58 12.83,14.68
  POWER.Cu w1: 11.82,27.31 12,27.13 12,20.6 11.72,20.32 11.72,18.4 11.07,17.75 11.52,17.3 11.52,15.15 11.99,14.68 12.83,14.68 ; 13.58,14.58 13.85,14.31 13.85,11.5 14.06,11.3 14.06,10.12 14.91,9.27 ; 10.92,27.9 10.92,25.76
  POWER.Cu w1.5: 11.82,27.31 11.7,27.43 11.7,29.43 11.21,29.92
  Bottom w0.3: L2.2 6.91,26.48 ; v3(18.51,15.74) 19.35,15.74 C39.1 ; 23.33,23.7 23.33,24.43 v2(23.31,24.45) ; v3(26.28,14.74) 26.79,15.25 C29.1 ; v1(10.26,27.8) 10.26,27.59 RP2.2
  Bottom w0.5: 8.97,28.33 8.97,27.11 7.71,27.11 7.02,26.42 L2.2 6.85,24.02 C23.1 ; 8.97,28.33 8.97,29.07 C12.1 8.94,29.09 C11.1 8.94,31.34 8.73,31.55 8.73,33.08 C10.1 ; 8.97,28.33 9.87,28.33 10.26,27.94 10.26,27.94
